# KiCad board board_deltaRenumBack.kicad_pcb (continued)
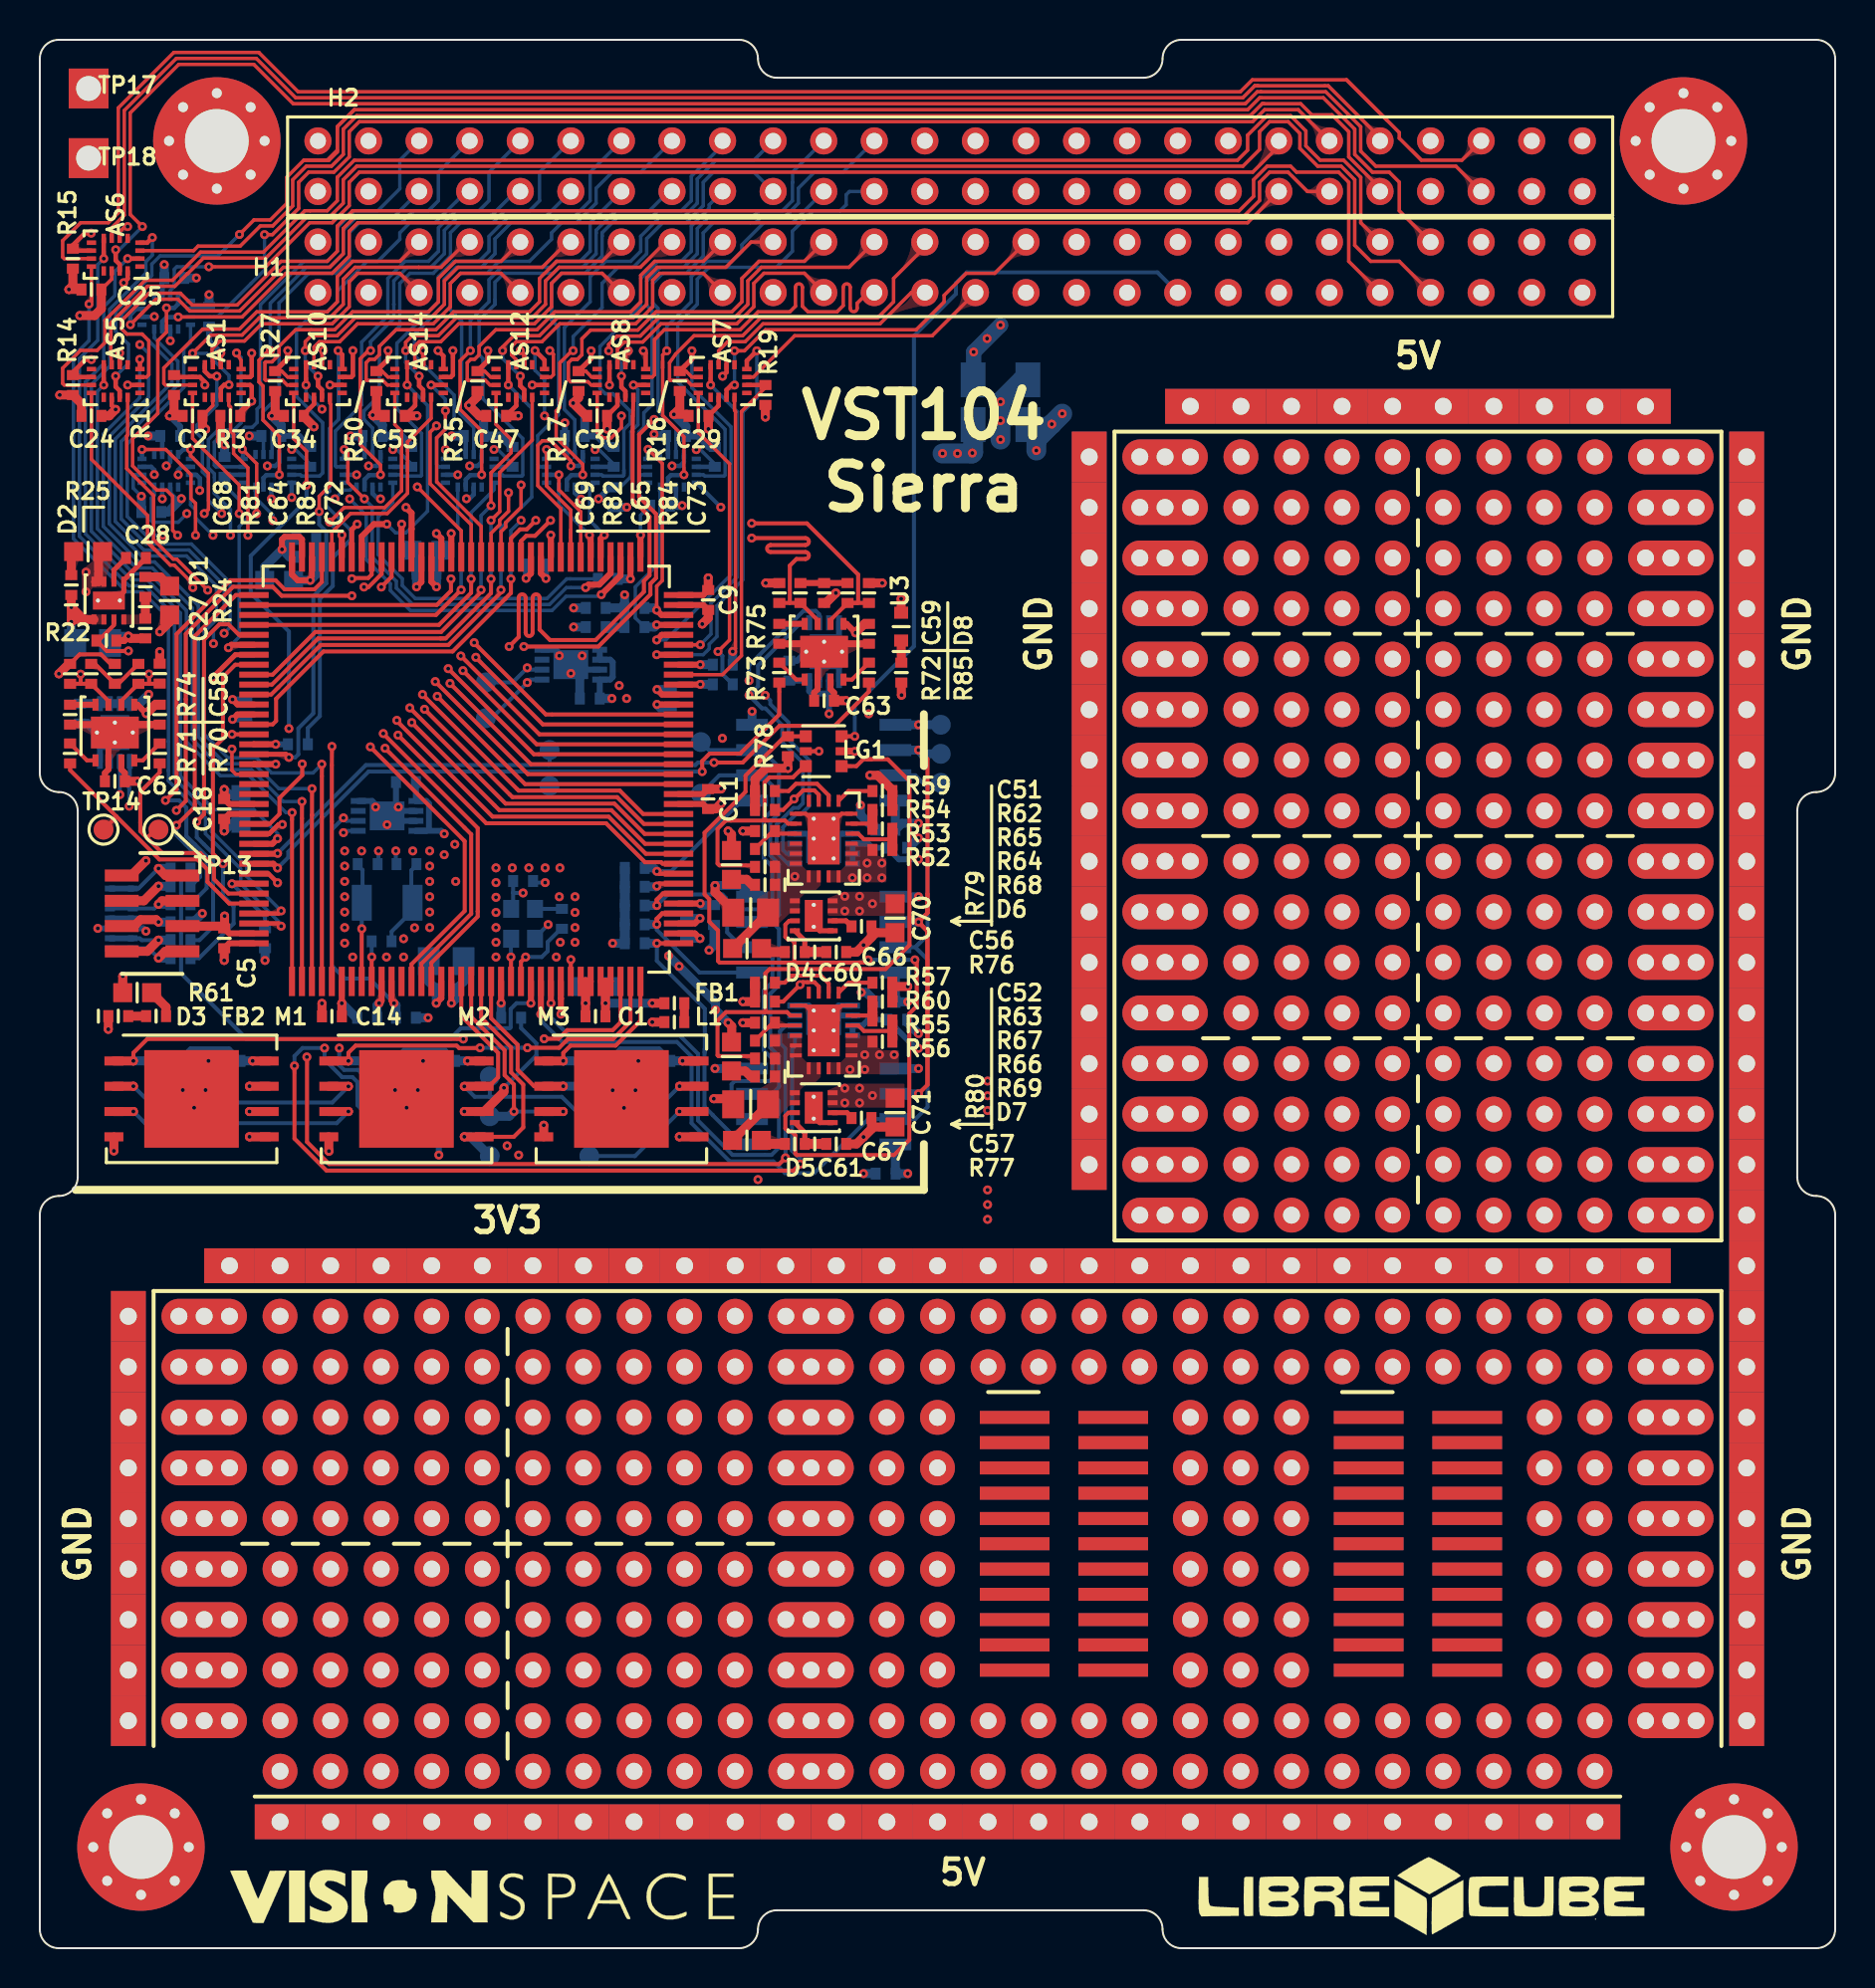
[diagram p0: board, top side]
## Footprints (pads in the part's own frame, mm; a bottom-side part is the same pattern mirrored in y, then rotated) (continued)
  rect 0.2x0.6 smd: 7(-0.75,-1.9) 8(-0.25,-1.9) 9(0.25,-1.9) 10(0.75,-1.9) 17(0.75,1.9) 18(0.25,1.9) 19(-0.25,1.9) 20(-0.75,1.9)
  round 0.45 hole 0.2: 21(-0.5,1) 21(-0.5,0) 21(-0.5,-1) 21(0.5,1) 21(0.5,0) 21(0.5,-1)
  rect 1.6x2.6 smd: 21(0,0)
WSON-8_2.0x2.0mm_EPV
  rect 0.9x0.7 smd: (0,0.45) (0,-0.45)
  rect 0.5x0.25 smd: 1(-0.95,0.75) 2(-0.95,0.25) 3(-0.95,-0.25) 4(-0.95,-0.75) 5(0.95,-0.75) 6(0.95,-0.25) 7(0.95,0.25) 8(0.95,0.75)
  round 0.45 hole 0.2: 9(0,0.55) 9(0,-0.55)
  rect 0.9x1.6 smd: 9(0,0)
WSON-8_6.0x8.0mm_EP
  rect 1.45x1.075 smd: (-1.65,1.913) (-1.65,0.637) (-1.65,-0.637) (-1.65,-1.913) (0,1.913) (0,0.637) (0,-0.637) (0,-1.913) (1.65,1.913) (1.65,0.637) (1.65,-0.637) (1.65,-1.913)
  rect 0.95x0.45 smd: 1(-3.9,1.905) 2(-3.9,0.635) 3(-3.9,-0.635) 4(-3.9,-1.905) 5(3.9,-1.905) 6(3.9,-0.635) 7(3.9,0.635) 8(3.9,1.905)
  rect 4.75x4.9 smd: 9(0,0)
µDFN-14_3.5x1.35mm
  rect 0.3x0.5 smd: 1(-1.5,-0.575) 2(-1,-0.575) 3(-0.5,-0.575) 4(0,-0.575) 5(0.5,-0.575) 6(1,-0.575) 7(1.5,-0.575) 8(1.5,0.575) 9(1,0.575) 10(0.5,0.575) 11(0,0.575) 12(-0.5,0.575) 13(-1,0.575) 14(-1.5,0.575)

## Nets
+3.3VADC: C1.2 C4.2 FB1.2 U1.32 U1.33
+3V3: AS1.10 AS2.10 AS3.10 AS4.10 AS5.10 AS6.10 AS7.10 AS8.10 AS9.10 AS10.10 AS11.10 AS12.10 AS13.10 AS14.10 AS15.10 C2.2 C3.2 C5.2 C6.2 C7.2 C8.2 C9.2 C10.2 C11.2 C12.2 C13.2 C14.2 C15.1 C16.2 C17.2 C18.2 C19.2 C20.2 C21.2 C22.2 C23.2 C24.2 C25.2 C26.2 C29.2 C30.2 C31.2 C34.2 C35.2 C39.1 C40.1 C41.1 C42.1 C43.1 C44.1 C47.2 C48.2 C53.2 C54.2 C55.2 C58.2 C59.2 C70.2 D2.1 D3.1 D8.2 L1.1 M1.8 M2.8 M3.8 M4.8 M5.8 M6.8 Q1.1 Q1.2 Q2.7 Q2.8 R23.1 R24.1 R26.1 R29.1 R30.1 R31.1 R32.1 R33.1 R34.1 R37.1 R38.1 R39.1 R40.1 R41.1 R42.1 R79.1 U1.6 U1.17 U1.39 U1.52 U1.62 U1.72 U1.84 U1.95 U1.106 U1.108 U1.121 U1.131 U1.144 U2.5 U3.5 Y2.4
+5V: C62.2 C63.2 C71.2 Q3.7 Q3.8 R80.1 R85.1 U2.3 U3.3
GND: AS1.2 AS2.2 AS3.2 AS4.2 AS5.2 AS6.2 AS7.2 AS8.2 AS9.2 AS10.2 AS11.2 AS12.2 AS13.2 AS14.2 AS15.2 C1.1 C2.1 C3.1 C4.1 C5.1 C6.1 C7.1 C8.1 C9.1 C10.1 C11.1 C12.1 C13.1 C14.1 C15.2 C16.1 C17.1 C18.1 C19.1 C20.1 C21.1 C22.1 C23.1 C24.1 C25.1 C26.1 C27.2 C28.2 C29.1 C30.1 C31.1 C32.2 C33.2 C34.1 C35.1 C36.2 C37.1 C38.2 C39.2 C40.2 C41.2 C42.2 C43.2 C44.2 C45.2 C46.2 C47.1 C48.1 C49.2 C50.1 C51.2 C52.2 C53.1 C54.1 C55.1 C56.1 C57.1 C58.1 C59.1 C60.2 C61.2 C62.1 C63.1 C64.1 C65.1 C66.2 C67.2 C68.1 C69.1 C70.1 C71.1 C72.1 C73.1 EF1.1 EF1.16 EF1.21 EF2.1 EF2.16 EF2.21 ESD1.10 H1.33 H1.34 H2.29 H2.30 H2.32 JC1.6 LG1.2 M1.4 M1.9 M2.4 M2.9 M3.4 M3.9 M4.4 M5.4 M6.4 Q1.5 Q1.9 Q2.5 Q2.9 Q3.5 Q3.9 R1.1 R2.2 R3.1 R4.2 R5.2 R10.2 R11.2 R14.2 R15.2 R16.2 R17.2 R18.2 R19.2 R20.1 R21.2 R22.2 R27.2 R28.2 R35.2 R36.2 R50.2 R51.2 R54.2 R57.2 R59.1 R60.1 R62.1 R63.1 R65.2 R67.2 R74.2 R75.2 R78.2 TP17.1 TP18.1 TS1.4 TS1.5 TS1.6 TS1.7 TS1.9 TS2.4 TS2.6 TS2.7 TS2.9 TS3.4 TS3.5 TS3.6 TS3.9 TS4.4 TS4.7 TS4.9 TS5.4 TS5.5 TS5.7 TS5.9 TS6.4 TS6.5 TS6.9 TS7.4 TS7.9 U1.16 U1.30 U1.31 U1.38 U1.51 U1.61 U1.71 U1.83 U1.94 U1.107 U1.120 U1.130 U1.143 U2.2 U2.9 U3.2 U3.9 UA1.1 Y2.2
/BOOT: R5.1 U1.138
/CAN1_EN: AS8.14 R20.2 U1.86
/CAN1_N: AS8.12 C72.2 R83.1 U2.6 uwA*****#7.1 uwA*****#8.1 uwA*****#9.1
/CAN1_P: AS8.16 C68.2 R81.1 U2.7
/CAN1_RX: R70.2 TP13.1 U1.139
/CAN1_TX: R71.2 TP14.1 U1.140
/CAN2_EN: AS9.14 R21.1 U1.82
/CAN2_N: AS9.12 C73.2 R84.1 U3.6
/CAN2_P: AS9.16 C69.2 R82.1 U3.7 uwA*****.1 uwA*****#2.1 uwA*****#3.1
/CAN2_RX: R72.2 TP15.1 U1.135
/CAN2_TX: R73.2 TP16.1 U1.136
/CL: M4.6 M5.6 M6.6 R12.1 TP8.1
/CLK: M1.6 M2.6 M3.6 R7.2 TP3.1
/CPU_EN: AS7.6 R16.1 U1.68
/EF1_CUR: EF1.19 R62.2 U1.29
/EF1_en: EF1.2 LG1.6 R68.2
/EF1_out: C56.2 D6.1 EF1.4 EF1.5 EF1.6 EF1.7 EF1.8 LG1.5 Q2.1 Q2.2 R64.1 R68.1 R76.2
/EF2_CUR: EF2.19 R63.2 U1.28
/EF2_en: EF2.2 LG1.1 R69.2
/EF2_out: C57.2 D7.1 EF2.4 EF2.5 EF2.6 EF2.7 EF2.8 Q3.1 Q3.2 R66.1 R69.1 R77.2
/FAULT: AS7.12 R9.2
/GLO_EN: AS7.14 R19.1 U1.64
/HD: M4.7 M5.7 M6.7 TP12.1 U1.26
/I2C2_EN: Q1.3 R22.1 U1.123
/I2C2_SCL: R23.2 TP1.1 TS1.2 TS2.2 TS3.2 TS4.2 TS5.2 TS6.2 TS7.2 U1.11
/I2C2_SDA: R26.2 TP2.1 TS1.1 TS2.1 TS3.1 TS4.1 TS5.1 TS6.1 TS7.1 U1.10
/I2C3_EN: AS8.6 R17.1 U1.85
/I2C3_SCL: AS8.4 R40.2 U1.92
/I2C3_SDA: AS8.8 R39.2 U1.93
/I2C4_EN: AS9.6 R18.1 U1.73
/I2C4_SCL: AS9.4 R42.2 U1.69
/I2C4_SDA: AS9.8 R41.2 U1.70
/MODE: AS7.4 U1.67
/OSC32_IN: C49.1 U1.8 Y1.1
/OSC32_OUT: R49.2 U1.9
/OSC_EN: R58.1 U1.24
/OSC_IN: U1.23 Y2.3
/Q0: M1.5 M2.5 M3.5 TP4.1 U1.20
/Q1: M1.2 M2.2 M3.2 TP5.1 U1.21
/Q2: M1.3 M2.3 M3.3 TP6.1 U1.19
/Q3: M1.7 M2.7 M3.7 TP7.1 U1.18
/QSPI_~{CS}_1: M1.1 R29.2 U1.34
/QSPI_~{CS}_2: M2.1 R30.2 U1.35
/QSPI_~{CS}_3: M3.1 R31.2 U1.36
/SI: M4.5 M5.5 M6.5 R37.2 TP9.1 U1.43
/SO: M4.2 M5.2 M6.2 R38.2 TP10.1 U1.42
/SPI1_~{CS}_1: M4.1 R32.2 U1.44
/SPI1_~{CS}_2: M5.1 R33.2 U1.40
/SPI1_~{CS}_3: M6.1 R34.2 U1.37
/SPI1_~{WP}: M4.3 M5.3 M6.3 TP11.1 U1.27
/SPI2_CS1: AS11.4 U1.96
/SPI2_CS2: AS1.4 U1.53
/SPI2_EN: AS11.6 AS11.14 R28.1 U1.91
/SPI2_MISO: AS11.12 U1.75
/SPI2_MOSI: AS11.8 U1.76
/SPI2_SCK: AS11.16 R13.1
/SPI3_CS1: AS10.4 U1.97
/SPI3_CS2: AS2.4 U1.58
/SPI3_EN: AS10.6 AS10.14 R27.1 U1.90
/SPI3_MISO: AS10.12 U1.125
/SPI3_MOSI: AS10.8 U1.126
/SPI3_SCK: AS10.16 R6.2
/SYNC: AS7.16 U1.66
/TEMP_VDD: C32.1 C33.1 C36.1 C37.2 C38.1 C45.1 C46.1 Q1.7 Q1.8 R25.1 TS1.8 TS2.5 TS2.8 TS3.7 TS3.8 TS4.5 TS4.6 TS4.8 TS5.6 TS5.8 TS6.6 TS6.7 TS6.8 TS7.5 TS7.6 TS7.7 TS7.8
/UART1_CTS: AS14.8 U1.103
/UART1_EN: AS14.6 AS14.14 R50.1 U1.89
/UART1_RST: AS14.12 U1.104
/UART1_RX: AS14.16 U1.102
/UART1_TX: AS14.4 U1.101
/UART2_CTS: AS12.8 U1.117
/UART2_EN: AS12.6 AS12.14 R35.1 U1.87
/UART2_RST: AS12.12 U1.118
/UART2_RX: AS12.16 U1.122
/UART2_TX: AS12.4 U1.119
/UART3_CTS: AS13.8 U1.80
/UART3_EN: AS13.6 AS13.14 R36.1 U1.79
/UART3_RST: AS13.12 U1.81
/UART3_RX: AS13.4 U1.78
/UART3_TX: AS13.16 U1.77
/UART4_CTS: AS15.8 U1.137
/UART4_EN: AS15.6 AS15.14 R51.1 U1.88
/UART4_RST: AS15.12 U1.110
/UART4_RX: AS15.16 U1.112
/UART4_TX: AS15.4 U1.111
/USER1_1: AS1.12 U1.56
/USER1_2: AS1.16 U1.54
/USER1_4: AS1.8 U1.55
/USER1_EN: AS1.14 R3.2 U1.98
/USER2_1: AS2.12 U1.59
/USER2_2: AS2.16 U1.60
/USER2_4: AS2.8 U1.57
/USER2_EN: AS2.14 R4.1 U1.100
/USER3_1: AS3.12 U1.49
/USER3_2: AS3.16 U1.50
/USER3_3: AS3.4 U1.47
/USER3_4: AS3.8 U1.48
/USER3_EN: AS3.6 AS3.14 R10.1 U1.132
/USER4_1: AS4.12 U1.46
/USER4_2: AS4.16 U1.45
/USER4_3: AS4.4 U1.13
/USER4_4: AS4.8 U1.5
/USER4_EN: AS4.6 AS4.14 R11.1 U1.127
/USER5_1: AS5.12 U1.15
/USER5_2: AS5.16 U1.3
/USER5_3: AS5.4 U1.2
/USER5_4: AS5.8 U1.14
/USER5_EN: AS5.6 AS5.14 R14.1 U1.115
/USER6_1: AS6.12 U1.4
/USER6_2: AS6.16 U1.1
/USER6_3: AS6.4 U1.141
/USER6_4: AS6.8 U1.142
/USER6_EN: AS6.6 AS6.14 R15.1 U1.134
/USER_SPI1_EN: AS1.6 R1.2 U1.99
/USER_SPI2_EN: AS2.6 R2.1 U1.114
/WATCHDOG: AS7.8 R8.2
CAN_1_N: AS8.11 H1.24
CAN_1_P: AS8.15 H1.23 uwA*****#4.1 uwA*****#5.1 uwA*****#6.1
CAN_2_N: AS9.11 H2.24
CAN_2_P: AS9.15 H2.23
CPU_MODE: AS7.11 H1.30
CPU_WD_1: AS7.15 H1.27
GLO_FAULT: AS7.7 H1.26
GLO_KS_1: H1.35 LG1.3
GLO_SYNC: AS7.3 H1.25
I2C_1_SCL: AS8.3 H1.21
I2C_1_SDA: AS8.7 H1.22
I2C_2_SCL: AS9.3 H2.21
I2C_2_SDA: AS9.7 H2.22
NRST: R43.2 U1.25
SPI_1_CS1: AS10.3 H1.9
SPI_1_CS2: AS1.15 H1.7
SPI_1_MISO: AS10.11 H1.12
SPI_1_MOSI: AS10.7 H1.10
SPI_1_SCK: AS10.15 H1.11
SPI_2_CS1: AS11.3 H2.9
SPI_2_CS2: AS2.15 H2.7
SPI_2_MISO: AS11.11 H2.12
SPI_2_MOSI: AS11.7 H2.10
SPI_2_SCK: AS11.15 H2.11
SUP_3V3: EF1.9 EF1.10 EF1.11 EF1.12 EF1.13 H2.27 H2.28 R52.1 R86.2
SUP_5V: EF2.9 EF2.10 EF2.11 EF2.12 EF2.13 H2.25 H2.26 R55.1 R87.2
SW_CLK: R44.2 U1.109
SW_DIO: R45.2 U1.105
SW_O: R46.2 U1.133
UART5_RX: R48.2 U1.116
UART5_TX: R47.2 U1.113
UART_1_CTS: AS14.7 H1.14
UART_1_RST: AS14.11 H1.16
UART_1_RX: AS14.15 H1.15
UART_1_TX: AS14.3 H1.13
UART_2_CTS: AS15.7 H2.14
UART_2_RST: AS15.11 H2.16
UART_2_RX: AS15.15 H2.15
UART_2_TX: AS15.3 H2.13
UART_RCS_1_CTS: AS12.7 H1.18
UART_RCS_1_RST: AS12.11 H1.20
UART_RCS_1_RX: AS12.15 H1.19
UART_RCS_1_TX: AS12.3 H1.17
UART_RCS_2_CTS: AS13.7 H2.18
UART_RCS_2_RST: AS13.11 H2.20
UART_RCS_2_RX: AS13.3 H2.19
UART_RCS_2_TX: AS13.15 H2.17
USER_1_1: AS1.3 H1.5
USER_1_2: AS1.7 H1.6
USER_1_4: AS1.11 H1.8
USER_2_1: AS2.3 H2.5
USER_2_2: AS2.7 H2.6
USER_2_4: AS2.11 H2.8
USER_3_1: AS3.15 H1.39
USER_3_2: AS3.3 H1.40
USER_3_3: AS3.11 H1.41
USER_3_4: AS3.7 H1.42
USER_4_1: AS4.3 H2.39
USER_4_2: AS4.11 H2.40
USER_4_3: AS4.7 H2.41
USER_4_4: AS4.15 H2.42
USER_5_1: AS5.15 H1.43
USER_5_2: AS5.7 H1.44
USER_5_3: AS5.3 H1.45
USER_5_4: AS5.11 H1.46
USER_6_1: AS6.15 H2.43
USER_6_2: AS6.3 H2.44
USER_6_3: AS6.11 H2.47
USER_6_4: AS6.7 H2.48
Net-(C27-Pad1): C27.1 D1.1 Q1.4
Net-(C28-Pad1): C28.1 Q1.6
Net-(C50-Pad2): C50.2 R49.1 Y1.2
Net-(C51-Pad1): C51.1 EF1.18
Net-(C52-Pad1): C52.1 EF2.18
Net-(C60-Pad1): C60.1 D4.1 Q2.4
Net-(C61-Pad1): C61.1 D5.1 Q3.4
Net-(C64-Pad2): C64.2 R81.2 R83.2
Net-(C65-Pad2): C65.2 R82.2 R84.2
Net-(C66-Pad1): C66.1 Q2.6
Net-(C67-Pad1): C67.1 Q3.6
Net-(D1-Pad2): D1.2 R24.2
Net-(D2-Pad2): D2.2 R25.2
Net-(D3-Pad2): D3.2 FB2.2
Net-(D4-Pad2): D4.2 R76.1
Net-(D5-Pad2): D5.2 R77.1
Net-(D6-Pad2): D6.2 R79.2
Net-(D7-Pad2): D7.2 R80.2
Net-(D8-Pad1): D8.1 R85.2
Net-(EF1-Pad3): EF1.3 R64.2 R65.1
Net-(EF1-Pad14): EF1.14 R52.2 R53.1
Net-(EF1-Pad15): EF1.15 R53.2 R54.1
Net-(EF1-Pad17): EF1.17 R59.2
Net-(EF2-Pad3): EF2.3 R66.2 R67.1
Net-(EF2-Pad14): EF2.14 R55.2 R56.1
Net-(EF2-Pad15): EF2.15 R56.2 R57.1
Net-(EF2-Pad17): EF2.17 R60.2
Net-(ESD1-Pad1): ESD1.1 ESD1.14 JC1.2 R43.1
Net-(ESD1-Pad5): ESD1.5 JC1.1 R61.2
Net-(ESD1-Pad6): ESD1.6 ESD1.9 JC1.7 R47.1
Net-(ESD1-Pad7): ESD1.7 ESD1.8 JC1.8 R48.1
Net-(ESD1-Pad11): ESD1.4 ESD1.11 JC1.5 R46.1
Net-(ESD1-Pad12): ESD1.3 ESD1.12 JC1.4 R45.1
Net-(ESD1-Pad13): ESD1.2 ESD1.13 JC1.3 R44.1
Net-(FB1-Pad1): FB1.1 L1.2
Net-(FB2-Pad1): FB2.1 R61.1
Net-(LG1-Pad4): LG1.4 Q2.3 Q3.3 R78.1
Net-(MH1-Pad1): MH1.1
Net-(MH2-Pad1): MH2.1
Net-(MH3-Pad1): MH3.1
Net-(MH4-Pad1): MH4.1
Net-(R6-Pad1): R6.1 U1.124
Net-(R7-Pad1): R7.1 U1.22
Net-(R8-Pad1): R8.1 U1.63
Net-(R9-Pad1): R9.1 U1.65
Net-(R12-Pad2): R12.2 U1.41
Net-(R13-Pad2): R13.2 U1.74
Net-(R58-Pad2): R58.2 Y2.1
Net-(R70-Pad1): R70.1 U2.4
Net-(R71-Pad1): R71.1 U2.1
Net-(R72-Pad1): R72.1 U3.4
Net-(R73-Pad1): R73.1 U3.1
Net-(R74-Pad1): R74.1 U2.8
Net-(R75-Pad1): R75.1 U3.8
Net-(R86-Pad1): R86.1 UA1.2
Net-(R87-Pad1): R87.1 UA1.3

Pads without a net: AS1 1 5 9 13; AS2 1 5 9 13; AS3 1 5 9 13; AS4 1 5 9 13; AS5 1 5 9 13; AS6 1 5 9 13; AS7 1 5 9 13; AS8 1 5 9 13; AS9 1 5 9 13; AS10 1 5 9 13; AS11 1 5 9 13; AS12 1 5 9 13; AS13 1 5 9 13; AS14 1 5 9 13; AS15 1 5 9 13; EF1 20; EF2 20; H1 1 2 3 4 28 29 31 32 36 37 38 47 48 49 50 51 52; H2 1 2 3 4 31 33 34 35 36 37 38 45 46 49 50 51 52; TS1 3; TS2 3; TS3 3; TS4 3; TS5 3; TS6 3; TS7 3; U1 7 12 128 129; UA1 NC

## Via types
v1: diameter 0.45, hole 0.2, Top to Bottom, 547 vias

## Routing (per net, layer and track width the routed paths; a pad name or vN(x,y) marks a point on that pad's centre or on a via; arc(x,y) is an arc through that point)
+3.3VADC: length 7.8
  Top w0.3: 28.41,48.58 28.41,47.48 v1(28.41,47.48) ; 28.41,48.58 U1.33 28.44,48.58 ; 28.41,48.58 U1.32 28.44,48.58 ; 28.44,48.58 28.41,48.54
  Top w0.45: C1.2 v1(28.41,47.48) 28.41,48.54 ; FB1.2 v1(30.76,47.48)
  Bottom w0.45: C4.2 28.41,48.08 v1(28.41,47.48) v1(30.76,47.48)
+3V3: length 108
  Top w0.173: AS1.10 8.69,77.51 C2.2 ; AS6.10 3.61,83.86 C25.2
  Top w0.225: AS5.10 3.61,77.51 v1(3.81,77.31) ; AS7.10 34.09,77.5 C29.2 ; AS8.10 29.01,77.51 C30.2 ; AS14.10 18.85,77.51 C53.2 ; C34.2 13.26,77.07 13.77,77.58 AS10.10 ; AS12.10 23.93,77.5 C47.2
  Top w0.3: v1(9.68,61.74) 9.93,61.99 U1.121 ; 32.21,44.58 32.21,44.58 ; U1.95 19.17,68.65 v1(18.92,68.4) ; U1.144 9.51,50.49 C5.2 ; U1.6 v1(15.17,47.47) 15.16,47.47 ; 13.67,68.94 U1.106 ; U1.62 31.25,62.99 v1(31,63.24) ; 40.37,66.54 40.52,66.54 v1(40.97,66.09) ; v1(20.67,47.48) 20.67,47.48 U1.17 ; U1.52 33.31,57.99 C11.2 ; C18.2 9.51,56.99 U1.131 ; v1(33.16,51.75) 32.9,51.49 U1.39 ; v1(24.42,68.83) 24.67,69.07 U1.84 ; 4.75,62.48 4.9,62.48 v1(5.35,62.03) ; U1.72 33.32,67.99 C9.2 ; U1.108 12.67,69.01 12.95,68.73 v1(13.58,68.73) 13.62,68.77
  Top w0.45: D2.1 v1(1.58,67.38) ; v1(1.58,67.38) v1(1.58,66.64) 1.7,66.76 2.34,66.76 ; v1(1.58,67.38) 2.2,66.76 2.34,66.76 ; 5.75,62.42 5.8,62.48 C58.2 5.8,62.48 v1(5.35,62.03) ; v1(6.02,66.14) 6.5,66.62 6.5,66.98 ; v1(15.17,47.47) 15.17,47.47 C14.2 ; 34.74,55.16 34.74,55.96 v1(34.57,56.13) ; C9.2 v1(33.57,68.85) ; v1(8.33,76.32) 8.17,76.48 C2.2 ; C34.2 13.26,76.95 v1(13.77,76.44) ; 43.26,67.12 v1(43.26,67.8) ; v1(10.69,44.58) 10.69,44.58 M1.8 ; D3.1 v1(3.44,46.17) ; v1(2.01,82.03) 2.74,82.03 3.09,82.38 C25.2 ; 32.45,44.58 M3.8 32.28,44.58 v1(32.28,44.58) ; C30.2 v1(28.49,76.33) ; Q1.1 2.34,66.76 ; v1(9.26,49.63) C5.2 ; v1(21.48,44.58) 21.48,44.58 22.31,44.58 ; C11.2 34.2,58.24 v1(34.22,58.26) ; v1(3.81,77.31) 3.48,76.99 C24.2 ; C53.2 v1(18.94,76.99) ; L1.1 v1(30.76,46.53) ; v1(40.97,66.09) 41.42,66.54 C59.2 ; C29.2 v1(33.58,76.33) ; C18.2 v1(9.26,56.13) ; C47.2 v1(24.03,76.99)
  In3.Cu w0.2: 26.12,53.61 25.73,53.22 25.73,53.22 25.53,53.02 v1(24.27,53.02)
  Bottom w0.173: C3.2 11.23,75.88 AS2.10
  Bottom w0.2: 23.77,53.03 23.77,52.32 Y2.4 ; 23.77,53.03 23.78,53.02 v1(24.27,53.02) ; 23.77,53.03 C55.2
  Bottom w0.225: C54.2 21.39,75.88 AS15.10 ; AS3.10 6.15,75.88 C22.2 ; AS9.10 31.55,75.88 C31.2 ; AS13.10 26.47,75.88 C48.2 ; C35.2 16.31,75.88 AS11.10
  Bottom w0.25: AS4.10 6.15,83.82 C23.2
  Bottom w0.3: C43.1 31.09,45.16 29.17,45.16 R31.1 ; C48.2 v1(26.37,76.64) ; M4.8 42.64,57.66 ; v1(30.85,76.07) 31.36,76.07 C31.2 ; R30.1 18.37,45.16 20.28,45.16 C42.1 ; R29.1 7.58,45.16 9.5,45.16 C41.1 ; C6.2 v1(9.68,61.74) ; C8.2 v1(24.42,68.83)
  Bottom w0.45: R26.1 15.89,46.75 v1(15.17,47.47) ; C42.1 v1(21.48,44.58) ; M5.8 42.97,47.56 C39.1 v1(43.59,47.55) ; C20.2 v1(18.92,68.4) ; M4.8 C44.1 43.3,56.52 v1(44.13,56.52) ; C54.2 v1(20.68,75.98) ; R41.1 v1(29.37,68) ; R41.1 R40.1 ; R41.1 R42.1 R39.1 ; v1(1.58,66.64) 1.58,65.77 C26.2 ; v1(33.16,51.75) 33.15,51.74 C12.2 ; C35.2 v1(15.6,75.98) ; C41.1 v1(10.69,44.58) ; C22.2 v1(5.44,75.98) ; C43.1 v1(32.28,44.58) ; C3.2 v1(10.52,75.98) ; v1(31,63.24) C10.2 ; C19.2 9.64,56.52 v1(9.26,56.13) ; C15.1 21.28,48.56 C13.2 20.91,47.72 v1(20.67,47.48) ; M6.8 42.97,38.93 C40.1 v1(43.59,38.92) ; R23.1 v1(19.5,46.75) ; C23.2 v1(6.25,84.59) ; C16.2 C7.2 13.88,69.03 v1(13.58,68.73) 12.75,68.73 ; R34.1 v1(28.77,50.49)
  Bottom w0.5: C21.2 18.92,70.02 C20.2 ; R32.1 R37.1 R38.1 R33.1 R34.1 ; M6.8 42.97,40.39
  vias: v1(40.43,52.85) v1(40.43,52.11) v1(41.17,52.85) v1(41.17,52.11) v1(41.82,52.48)
+5V: length 69.6
  Top w0.3: C62.2 4.27,59.05 4.09,59.22 U2.3 ; U3.3 39.72,63.25 39.89,63.08 C63.2
  Top w0.45: v1(34.57,46.5) 34.75,46.32 34.75,45.52 ; C63.2 v1(40.5,62.68) ; R85.1 43.27,62.97 v1(43.28,62.96) ; C62.2 v1(4.91,58.63)
  In2.Cu w0.45: v1(43.28,62.96) 40.78,62.96 v1(40.5,62.68) 40.5,62.06 39.23,60.79 v1(34.28,60.79)
  In3.Cu w0.45: 30.43,58.84 12.84,58.84 12.83,58.85 5.13,58.85 v1(4.91,58.63) ; 30.43,58.84 31.58,57.68 v1(31.58,49.86) v1(32.11,49.33) ; 30.43,58.84 32.38,60.79 v1(34.28,60.79) ; v1(33.93,47.14) 34.57,46.51 v1(34.57,46.5) 34.57,44.87 36.08,43.36 40.28,43.36 v1(40.43,43.21)
  Bottom w0.45: v1(34.57,46.5) v1(33.93,47.14) 33.93,47.51 v1(32.11,49.33) v1(31.58,49.86)
  vias: v1(40.43,42.47) v1(41.17,43.21) v1(41.17,42.47) v1(41.82,42.84)
GND: length 210.2
  Top w0.173: v1(4.41,86.5) 4.27,86.5 4.01,86.24 AS6.2 ; v1(14.24,80.27) 14.17,80.2 AS10.2
  Top w0.2: 39.37,56.1 40.27,57 EF1.16 ; 39.37,56.1 38.47,57 EF1.1 ; 39.37,56.1 EF1.21 ; 39.37,46.46 38.47,47.36 EF2.1 ; 39.37,46.46 EF2.21 ; 39.37,46.46 40.27,47.36 EF2.16 ; C64.1 3.55,64.53 3.07,65.01 2,65.01 C68.1
  Top w0.225: v1(24.13,80.27) 24.33,80.07 AS12.2 ; v1(34.29,78.98) 34.49,79.18 AS7.2 ; AS14.2 19.26,79.57 v1(19.26,80.27) ; AS5.2 v1(4.01,80.15) ; AS8.2 29.41,80.11 v1(29.56,80.26) ; AS1.2 v1(9.09,80.15)
  Top w0.25: Q2.5 39.17,51.12 38.87,51.42 ; 38.87,41.78 39.17,41.48 Q3.5 ; Q1.9 3.77,67.71 4.22,68.16 Q1.5 4.22,68.74 C28.2
  Top w0.3: U2.9 3.45,60.75 3.45,59.22 3.27,59.05 C62.1 ; C65.1 39.3,67.59 ; C63.1 38.89,63.08 39.06,63.25 U3.2 39.06,64.81 U3.9 ; 7.39,51.35 9.14,51.35 ; U1.94 19.67,68.65 v1(19.92,68.4) ; 27.41,48.58 27.41,48.57 27.41,48.58 ; 27.41,48.58 U1.31 27.41,48.58 ; 27.41,48.58 U1.30 27.41,48.58 ; U1.83 25.17,69.07 v1(25.42,68.82) ; v1(33.16,50.73) 32.9,50.99 U1.38 ; v1(31,62.49) 31,62.49 U1.61 ; U1.107 13.17,70.79 13.04,70.92 12.29,70.92 12.16,70.78 v1(12.16,70.28) ; C9.1 33.32,67.49 U1.71 ; U1.120 9.93,62.49 v1(9.68,62.74) ; C5.1 9.51,50.99 U1.143 ; C18.1 9.51,57.49 U1.130 ; R74.2 3.67,61.48 U2.9 ; U1.51 33.31,57.49 C11.1 ; v1(19.91,47.48) 20.17,47.74 U1.16
  Top w0.35: v1(4.45,65.92) 4.23,65.7 R22.2 ; LG1.2 40.92,60.14 v1(40.93,60.13) ; C59.1 39.79,65.54 U3.9 38.99,65.54 R75.2 ; U2.9 3.87,61.48 C58.1 4.17,61.48 U2.9 3.37,61.48 R74.2
  Top w0.45: 40.95,50.05 41.02,50.05 ; 41.02,50.05 C60.2 ; 41.02,50.05 41.32,50.35 ; C24.1 2.09,77.61 R14.2 v1(1,78.04) ; R59.1 42.82,58.19 42.08,58.93 v1(41.69,58.93) ; v1(14.52,40.05) 14.52,40.05 M2.4 ; C72.1 v1(6.02,65.14) ; C9.1 33.57,66.83 v1(33.27,66.53) ; M3.4 v1(25.31,41.35) ; C47.1 22.08,76.99 v1(21.55,77.52) 21.98,77.95 R35.2 ; C53.1 16.75,76.99 v1(16.72,77.03) 16.9,77.21 R50.2 ; v1(9.28,51.86) 9.28,51.26 C5.1 9.14,51.35 JC1.6 ; v1(41.37,40.76) 41.77,41.16 C67.2 ; v1(41.37,40.76) 41.02,40.41 C61.2 ; v1(41.37,40.76) 41.87,41.26 C71.1 ; v1(9.26,58.22) C18.1 ; R1.1 6.74,77.22 v1(6.51,76.99) C2.1 ; R15.2 1.66,83.54 v1(1.46,83.34) C25.1 ; v1(34.21,57.52) 33.94,57.24 C11.1 ; C56.1 34.83,52.14 33.91,53.06 v1(33.91,53.39) ; C65.1 39.48,67.59 v1(39.98,68.09) ; R65.2 v1(35.31,56.13) ; v1(9.28,75.54) 9.07,75.75 R3.1 ; 42.95,51.02 42,51.02 v1(41.37,50.4) 41.77,50.8 C66.2 ; C73.1 v1(42.31,68.59) ; v1(43.59,48.32) 43.01,48.32 ; C57.1 34.55,42.68 v1(33.85,42.68) ; C68.1 1.46,64.53 v1(0.96,64.03) ; C51.2 35.92,58.74 36.47,59.28 v1(37.58,59.28) 37.57,59.29 R78.2 ; v1(4.45,65.92) 4.56,65.81 5.17,65.81 ; R19.2 v1(36.44,76.93) ; C1.1 v1(27.41,47.48) 27.41,48.57 ; R17.2 27.06,77.9 v1(26.79,77.63) 27.43,76.99 C30.1 ; C34.1 v1(11.65,76.99) 11.82,77.16 R27.2 ; C14.1 v1(14.17,47.47) ; R67.2 v1(35.31,46.5) ; C69.1 v1(36.46,68.59) ; R63.1 v1(35.31,47.56) ; C29.1 32.5,77.07 v1(31.85,77.07) 32.14,77.36 R16.2 ; M1.4 v1(3.72,40.06)
  Top w0.5: R54.2 R59.1 ; R57.2 R60.1 ; C52.2 R63.1 ; R62.1 C51.2
  In1.Cu w0.45: v1(26.12,54.28) v1(25.38,54.28) ; v1(20.89,53.6) v1(19.58,53.6)
  In4.Cu w0.45: v1(20.89,53.6) v1(19.58,53.6) ; v1(25.38,54.28) v1(26.12,54.28)
  Bottom w0.2: v1(26.09,52.83) 26.14,52.83 ; R5.2 11.31,50.3 ; 24.77,53.57 C55.1 24.85,53.54 v1(25.38,53.54) ; v1(17.88,55.13) 17.88,54.5 C50.1 ; C49.2 17.01,54.51 v1(17.01,55.13) ; Y2.2 24.87,50.77 v1(25.53,51.43) ; 18.83,51.28 v1(18.82,51.27) ; 15.31,52.88 v1(15.31,52.83)
  Bottom w0.225: AS11.2 16.71,73.09 16.98,72.82 v1(17.11,72.82) ; R18.2 31.95,72.78 AS9.2 ; v1(21.43,72.83) 21.58,72.83 21.79,73.04 AS15.2 ; AS13.2 26.87,73.12 v1(27.18,72.81) ; AS3.2 6.55,73.11 6.84,72.82 v1(7.11,72.83) ; AS4.2 v1(6.55,80.76) ; v1(11.63,72.82) AS2.2
  Bottom w0.3: TS7.4 3.02,60.3 3.3,60.58 U2.9 ; TS5.5 40.14,64.39 U3.9 ; TS5.7 39.14,64.89 U3.9 ; U3.9 40.14,65.89 TS5.4 ; U3.9 38.04,64.69 C38.2 ; TS2.6 17.69,57.14 TS2.9 ; TS2.7 17.69,56.64 ; 43.65,46.65 C36.2 ; C33.2 17.89,57.34 TS2.9 ; TS1.7 18.67,42.42 M2.9 ; TS3.6 39.62,46.86 TS3.9 ; TS2.9 16.69,57.64 TS2.4 ; TS6.5 40.12,55.99 EF1.21 ; TS3.4 38.62,47.36 EF2.21 ; TS6.4 38.62,55.99 EF1.21 ; TS1.5 19.29,43.42 v1(18.99,43.12) 19.18,42.92 TS1.6 ; v1(2.91,51.24) ESD1.10 ; 18.74,42.42 18.54,42.23 ; EF2.21 40.12,47.36 TS3.5 ; C3.1 13.03,75.98 R4.2 ; TS1.4 17.54,43.42 v1(17.84,43.12) ; v1(6.51,76.99) 7.05,76.45 C22.1 ; R11.2 8.5,80.74 v1(9.09,80.15) ; C6.1 v1(9.68,62.74) ; TS4.4 25.92,65.24 TS4.9 ; TS4.7 26.92,64.24 ; C8.1 v1(25.42,68.82)
  Bottom w0.35: C31.1 33.05,75.98 33.6,75.43 R21.2 ; R36.2 28.53,75.43 27.98,75.98 C48.1
  Bottom w0.45: C16.1 12.69,70.81 v1(12.16,70.28) ; v1(33.91,53.39) 35.21,53.39 M5.4 35.24,52.83 ; v1(11.65,76.99) 12.13,76.51 C3.1 ; R5.2 v1(11.31,49.63) ; C32.2 19.04,42.05 M2.9 ; C4.1 27.41,48.1 v1(27.41,47.48) ; C23.1 v1(7.86,83.92) ; v1(12.16,70.28) 11.3,69.41 C17.1 ; v1(12.16,70.28) 12.53,69.91 C7.1 ; v1(4.45,65.92) 3.87,65.92 C26.1 ; C45.2 43.64,55.29 v1(44.13,55.78) ; C48.1 27.37,77.05 v1(26.79,77.63) ; C42.2 v1(19.25,44.58) ; R10.2 6.44,72.16 v1(7.11,72.83) ; U2.9 U2.9 U2.9 2.42,61.53 C46.2 ; C15.2 19.53,48.56 C13.1 v1(19.91,47.48) ; v1(16.72,77.03) 17.21,76.53 C35.1 18.11,75.98 R28.2 ; M4.4 v1(35.77,62.14) ; C36.2 43.57,46.52 v1(44.13,45.96) ; C10.1 31.25,62.24 v1(31,62.49) ; C43.2 v1(30.06,44.58) ; R20.1 28.82,72.4 v1(29.48,72.4) ; C12.1 33.15,50.74 v1(33.16,50.73) ; C44.2 41.22,56.94 v1(41.22,57.43) ; C39.2 41.51,48.02 v1(41.26,48.02) ; v1(33.91,44.2) 33.92,44.2 M6.4 ; C31.1 32.45,76.46 v1(31.85,77.07) ; TS4.9 27.12,64.04 C37.1 ; R18.2 v1(32.26,72.48) ; v1(21.55,77.52) 22.29,76.78 C54.1 23.19,75.98 R51.2 ; v1(9.28,75.54) R2.2 ; C20.1 v1(19.92,68.4) ; C41.2 v1(8.47,44.58) ; v1(9.26,58.22) 9.52,57.97 C19.1 ; C40.2 v1(41.37,38.92)
  Bottom w0.5: C21.1 19.92,70.02 C20.1
  vias: v1(7.18,43.12) v1(7.75,42.23) v1(8.32,43.12) v1(15.31,55.13) v1(15.31,54.37) v1(15.31,53.6) v1(15.31,52.06) v1(15.31,51.28) v1(15.31,50.5) v1(15.71,49.8) v1(16.16,55.13) v1(16.86,57.34) v1(17.44,56.45) v1(17.41,49.8) v1(18.01,57.34) v1(18.27,50.72) v1(18.27,49.8) v1(18.42,42.23) v1(18.73,55.13) v1(19.58,55.13) v1(19.58,54.37) v1(19.58,52.83) v1(19.58,52.06) v1(19.58,51.28) v1(22.91,54.28) v1(22.91,53.54) v1(22.91,52.8) v1(22.91,52.04) v1(22.91,51.28) v1(22.91,50.54) v1(22.91,49.8) v1(23.73,54.28) v1(24.56,54.28) v1(25.94,49.8) v1(26.09,64.94) v1(26.14,50.54) v1(26.67,64.05) v1(26.88,52.83) v1(26.88,52.04) v1(26.88,51.28) v1(26.88,50.54) v1(27.24,64.94) v1(28.77,43.11) v1(29.34,42.22) v1(29.91,43.11)
